# KiCad board Ethernet controller W5500 board_panel.kicad_pcb (continued)
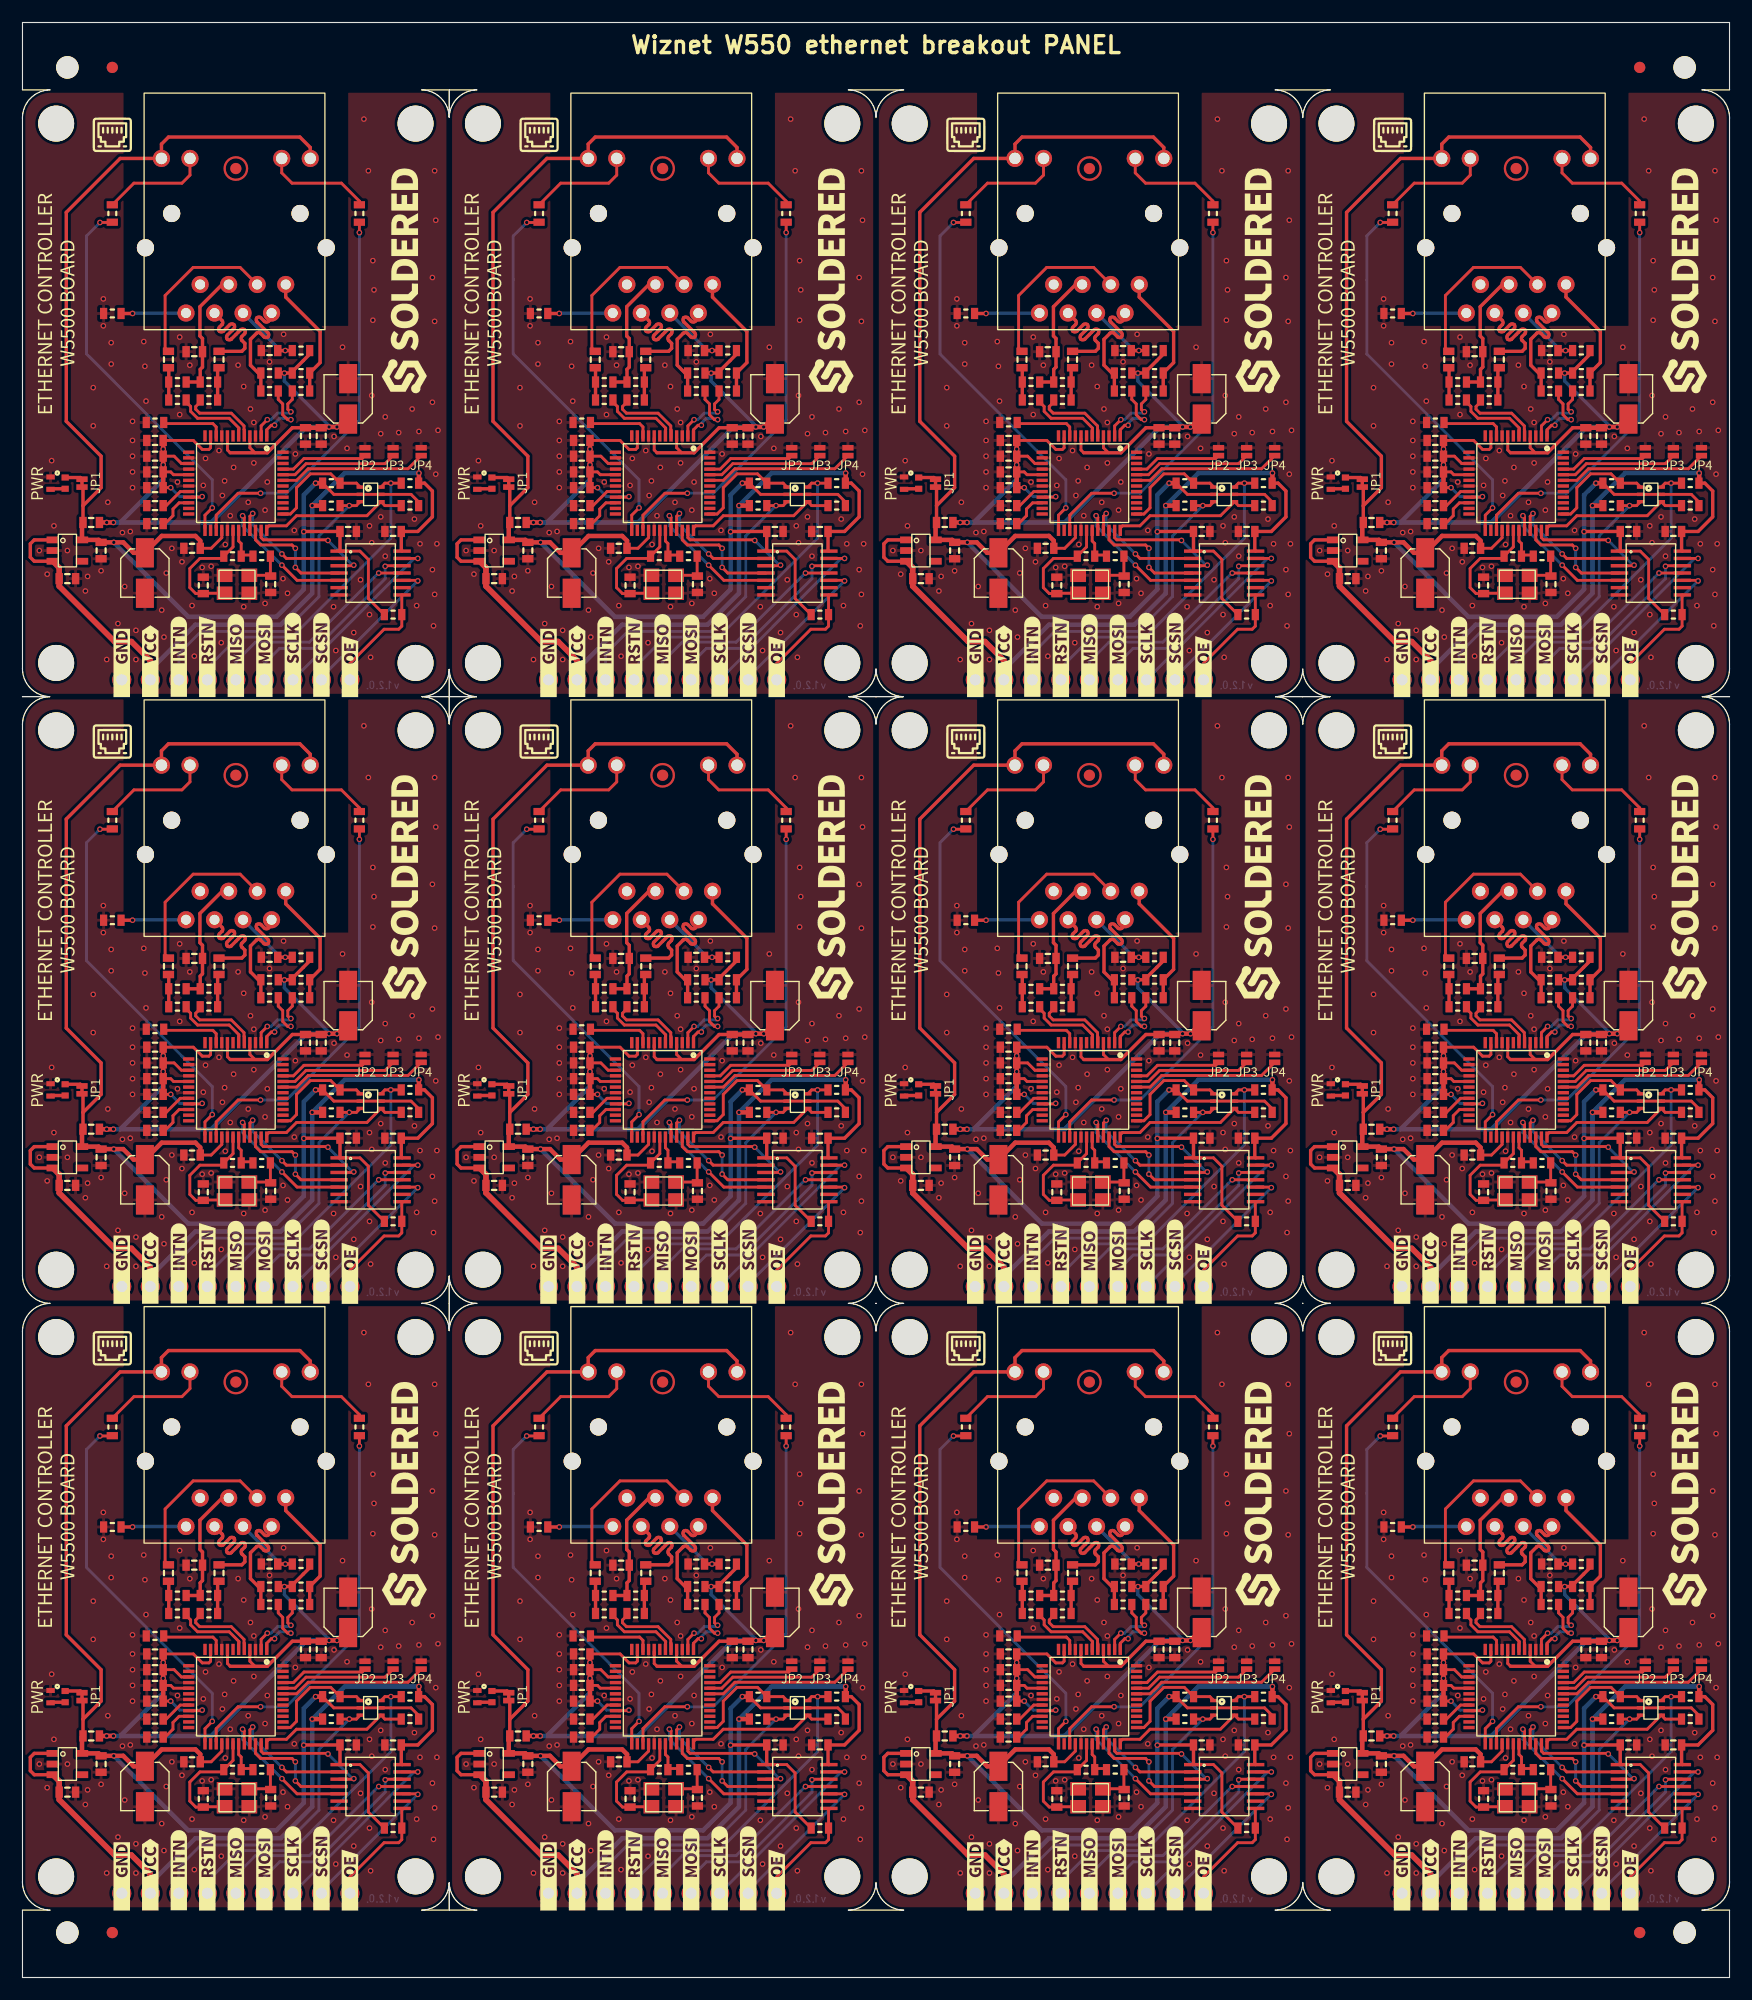
[diagram p0: board, top side]
## Routing (per net, layer and track width the routed paths; a pad name or vN(x,y) marks a point on that pad's centre or on a via; arc(x,y) is an arc through that point) (continued)
Board_6-RSTn_H: length 29
  Top w0.254: R27#4.1 v1(108.8,79) 108.27,79 U5#10.6
  Bottom w0.254: K2#8.4 92.46,62.56 95.2,65.3 100,65.3 108.8,74.1 v1(108.8,79)
Board_6-RSTn_L: length 10.1
  Top w0.254: U5#10.1 105.73,79 R21#6.1 103.45,79.83 101.63,79.83 100.4,78.6 100.4,76.8 99.85,76.25 99,76.25
Board_6-RX+: length 7
  Top w0.254: R4#5.1 90.58,86.22 90.97,85.82 90.97,85.39 91.59,84.77 94.41,84.77 95.27,83.91 95.27,83.77 95.25,83.75 95.25,83
Board_6-RX-: length 7
  Top w0.254: R3#3.1 91.83,86.22 91.43,85.82 91.43,85.58 91.78,85.23 94.6,85.23 95.73,84.09 95.73,83.77 95.75,83.75 95.75,83
Board_6-SCLK_H: length 17
  Top w0.254: v1(111.2,72.3) U3#3.13
  Bottom w0.254: K2#8.7 110.88,72.3 v1(111.2,72.3)
Board_6-SCLK_L: length 11.3
  Top w0.254: v1(99.1,72.7) 99.5,72.3 U3#3.2 ; v1(96.5,76.3) 96.25,76.05 96.25,75
  Bottom w0.254: v1(96.5,76.3) 96.5,75.3 v1(99.1,72.7)
Board_6-SCSn_H: length 13.8
  Top w0.254: v1(111.2,70.3) 111.15,70.35 U3#3.10
  Bottom w0.254: v1(111.2,70.3) 102.62,61.72 K2#8.8
Board_6-SCSn_L: length 12.7
  Top w0.254: U3#3.5 100.45,70.35 v1(99.1,71.7) ; v1(95.6,76.1) 95.75,75.95 95.75,75
  Bottom w0.254: v1(99.1,71.7) 95.6,75.2 v1(95.6,76.1)
Board_6-TX+: length 6.4
  Top w0.254: R2#8.1 100.03,86.45 99.63,86.05 99.63,85.57 99.84,85.35 v1(99.9,85.35) ; v1(97.8,84.65) 97.25,84.1 97.25,83
  Bottom w0.254: v1(97.8,84.65) 98.13,84.65 98.71,85.23 99.78,85.23 v1(99.9,85.35)
Board_6-TX-: length 6.7
  Top w0.254: v1(98.45,84.15) 98.15,84.15 97.75,83.75 97.75,83 ; R1#12.1 98.78,86.45 99.17,86.05 99.17,85.09 99.61,84.65 v1(99.9,84.65)
  Bottom w0.254: v1(98.45,84.15) 98.45,84.33 98.9,84.77 99.78,84.77 v1(99.9,84.65)
Board_6-VCC: length 67.9
  Top w0.3: R27#4.2 111.8,79 112.5,78.3 112.5,76 111.2,74.7 C21#11.1 109.73,73.02 U3#3.14 ; U2#12.3 77.05,72.05 76.7,72.4 76.7,73.6 77.05,73.95 U2#12.1
  Top w0.4: R27#4.2 111.3,79.03 v1(111.3,79.9) ; R22#3.1 v1(101.8,77)
  Top w0.5: K2#8.2 87.38,63.22 85.7,64.9 84.2,64.9 79.27,69.83 C18#3.2 79.27,71.48 U2#12.3
  Bottom w0.4: v1(111.3,79.9) 104.7,79.9 v1(101.8,77) 101.77,76.96 101.8,76.93 101.8,69.2 99,66.4 91.4,66.4 87.38,62.38 K2#8.2
Board_7-3V3: length 129.2
  Top w0.254: C14#3.2 130.8,73.2 131.75,74.15 131.75,75 ; R17#5.1 144.8,68.73 144.8,72.2 144.05,72.95 U3#9.1 ; R21#10.2 141.73,78 U5#8.2 U5#8.5 148.6,78 149.28,77.33 R28#9.1
  Top w0.3: JP1#4.1 119.39,78.56 119.39,76.99 ; U3#9.1 142.27,73.02 C20#3.2 139.07,74.7 v1(139.05,74.68) ; 119.39,76.99 FB1#9.1 ; 119.39,76.99 121,78.6 121,81.4 117.9,84.5 117.9,103.1 122.7,107.9 K1#2.12 126.38,109.18 127,109.8 138.7,109.8 139.63,108.88 K1#2.9
  Top w0.4: FB1#9.1 119.3,75.41 U2#7.5 120.78,73.95 C19#12.2 122.97,73.73 123.9,72.8 C15#9.1 126.4,74.3 129.4,74.3 129.83,73.87 C14#3.2 ; v1(140.1,79) R21#10.2
  Bottom w0.4: v1(122.13,73.73) 128.76,67.1 136.6,67.1 139.05,69.55 v1(139.05,74.68) 139.05,77.95 v1(140.1,79)
Board_7-3V3_A: length 77.8
  Top w0.254: C5#5.2 127.5,81.4 128.15,80.75 129,80.75 ; C6#10.2 127.2,80 127.45,79.75 129,79.75 ; 130.75,83 130.75,82.15 130.6,82 130.01,82 129.21,82.8 C4#2.2 ; 132.25,83 132.25,81.95 132.5,81.7 ; 134.7,81.7 134.25,82.15 134.25,83 ; 129,77.75 129.95,77.75 v1(130,77.8) ; v1(127.2,78.6) C8#2.2
  Top w0.3: C2#7.2 138.03,83.93 135.8,81.7 132.5,81.7 ; R6#7.2 R8#7.2 138.03,88.93 139.58,90.48 R10#12.2
  Top w0.4: C4#2.2 v1(126.53,82.03) v1(126.53,80.63) C8#2.2 ; v1(122.1,75.5) v1(121.5,75.5) FB1#9.2 ; C2#7.2 C3#6.2 140.67,84 v1(141.3,84) v1(142,84) 142.7,84.7
  Bottom w0.254: v1(127.2,78.6) 128,77.8 v1(130,77.8)
  Bottom w0.3: v1(137.32,88.79) 137.32,88.08 141.3,84.1 v1(141.3,84)
  Bottom w0.4: v1(142,84) 139.3,84 130.8,75.5 122.7,75.5 ; v1(121.5,75.5) v1(122.1,75.5) 122.7,75.5 ; 122.7,75.5 126.53,79.33 v1(126.53,80.63) v1(126.53,82.03)
Board_7-/RXN: length 11.6
  Top w0.3: C9#4.1 133.53,90.73 133.8,91 133.8,91.44 133.54,91.7 arc(133.47,91.88) 133.54,92.06 133.78,92.29 arc(133.85,92.47) 133.78,92.65 arc(133.6,92.72) 133.42,92.65 132.59,91.82 arc(132.42,91.74) 132.24,91.82 arc(132.17,91.99) 132.24,92.17 132.83,92.76 arc(132.9,92.93) 132.83,93.1 132.82,93.11 arc(132.65,93.18) 132.47,93.11 131.89,92.52 arc(131.71,92.45) 131.53,92.52 arc(131.46,92.7) 131.53,92.88 131.77,93.12 arc(131.84,93.29) 131.77,93.47 K1#2.6
Board_7-/RXP: length 15
  Top w0.254: K1#2.3 133.38,98.2 129.2,98.2 126.7,95.7 126.7,91.03 C10#2.1
Board_7-/TXN: length 11.4
  Top w0.3: K1#2.2 136.18,93.68 135.9,93.4 arc(135.72,93.33) 135.55,93.4 135.23,93.71 arc(135.06,93.79) 134.88,93.71 arc(134.81,93.54) 134.88,93.36 135.86,92.38 arc(135.94,92.2) 135.86,92.02 arc(135.69,91.95) 135.51,92.02 135.19,92.34 arc(135.02,92.41) 134.84,92.34 134.3,91.8 134.3,89.5 135,88.8 R6#7.1 R1#5.2
Board_7-/TXP: length 11.1
  Top w0.3: R2#5.2 R8#7.1 140.5,89.73 140.5,92.5 137.44,95.56 K1#2.1
Board_7-ACTLED: length 35
  Top w0.254: v1(135.2,78.1) 133.2,78.1 131.25,76.15 131.25,75 ; v1(144,101.3) R12#8.2
  Bottom w0.254: v1(135.2,78.1) 137.5,78.1 144,84.6 v1(144,101.3)
Board_7-CGND: length 5.8
  Top w0.3: v1(123.8,94.1) R16#2.2
  Bottom w0.3: v1(123.8,94.1) 123.84,94.14 K1#2.8
Board_7-GND:
  vias: v1(115.5,73) v1(116.2,70.9) v1(116.6,81) v1(116.8,75.2) v1(118,73) v1(119.6,69.4) v1(119.8,70.7) v1(120.3,87.5) v1(120.3,84.1) v1(121,71.2) v1(121.2,95.4) v1(121.2,93) v1(121.5,63.3) v1(121.6,77.3) v1(121.9,91.5) v1(121.9,89.6) v1(122.5,66.5) v1(122.9,74.6) v1(123.1,69.8) v1(123.6,74.7) v1(123.8,84.5) v1(123.8,82.8) v1(123.8,81.4) v1(123.8,80) v1(123.8,78.6) v1(124.1,65.9) v1(124.1,63.3) v1(124.8,91.6) v1(124.9,89.4) v1(125,86.3) v1(126.4,67.7) v1(126.6,65.3) v1(126.8,71) v1(127.3,73.2) v1(127.8,79.1) v1(128,92) v1(128,85.1) v1(128.2,72) v1(128.9,89.5) v1(129.1,68.1) v1(129.3,63.6) v1(130,71.5) v1(130.1,78.8) v1(130.3,81.2) v1(130.8,71.6) v1(131.5,81.9) v1(131.7,64.8) v1(131.8,77.9) v1(132,79.2) v1(132.06,73.54) v1(132.5,76.1) v1(132.8,80.4) v1(133.2,89.5) v1(133.7,87.6) v1(133.7,68) v1(134.1,77.3) v1(134.3,85.6) v1(134.6,84.4) v1(134.6,80.8) v1(135.6,76.6) v1(135.6,68.3) v1(135.8,79.1) v1(136,89.8) v1(137.2,70.5) v1(137.25,92.25) v1(137.6,69.2) v1(138.2,74.8) v1(138.3,81.6) v1(141.74,83.16) v1(141.7,68) v1(141.9,64.1) v1(142.5,91.1) v1(142.9,82.1) v1(143.5,65.7) v1(144.1,70.4) v1(144.4,111.4) v1(144.8,106.8) v1(144.9,75.2) v1(144.9,67.3) v1(145,63.5) v1(145.1,86.8) v1(145.1,73.7) v1(145.2,98.8) v1(145.2,93.5) v1(145.3,96.2) v1(145.9,83.4) v1(145.9,76) v1(146.3,84.9) v1(146.3,72.5) v1(147.5,83.5) v1(148.7,85.6) v1(148.9,75.8) v1(149.1,68.1) v1(149.3,83.6) v1(149.4,73.6) v1(150.5,97.3) v1(150.5,86.2) v1(150.5,71.3) v1(150.6,66.3) v1(150.7,106.8) v1(150.7,93.4) v1(150.7,69.1) v1(150.8,102.4) v1(150.8,79.8) v1(150.9,73.6) v1(151,83.7)
Board_7-INTn_H: length 28.1
  Top w0.254: U5#8.3 143.73,77 v1(143.1,77) R22#4.2
  Bottom w0.254: v1(143.1,77) 140.4,74.3 140.4,68.9 137.3,65.8 129.9,65.8 127.92,63.82 K2#5.3
Board_7-INTn_L: length 13.1
  Top w0.254: R28#9.2 146.27,77 U5#8.4 144.67,76.1 138.4,76.1 137.5,75.2 135.95,75.2 135.75,75
Board_7-LINKLED: length 33.7
  Top w0.254: v1(120.9,102.2) 121.98,102.2 R11#8.2 ; v1(130.9,76.8) 130.25,76.15 130.25,75
  Bottom w0.254: v1(120.9,102.2) 119.7,101 119.7,90.5 130.9,79.3 v1(130.9,76.8)
Board_7-MISO_H: length 19.7
  Top w0.254: v1(145.72,71) U3#9.11
  Bottom w0.254: v1(145.72,71) 145.7,71 139.55,64.85 134.75,64.85 133,63.1 K2#5.5
Board_7-MISO_L: length 10.7
  Top w0.254: 134.75,75 134.75,73.95 135.2,73.5 138,73.5 v1(138.3,73.2) ; v1(138.3,71.5) 138.8,71 U3#9.4
  Bottom w0.254: v1(138.3,71.5) v1(138.3,73.2)
Board_7-MOSI_H: length 18
  Top w0.254: v1(146.3,71.6) 146.35,71.65 U3#9.12
  Bottom w0.254: K2#5.6 135.54,62.94 136.9,64.3 140.1,64.3 146.3,70.5 v1(146.3,71.6)
Board_7-MOSI_L: length 11.4
  Top w0.254: v1(141.2,73.9) 141.15,73.95 135.45,73.95 135.25,74.15 135.25,75 ; U3#9.3 143.45,71.65 v1(143.5,71.7)
  Bottom w0.254: v1(141.2,73.9) 143.4,71.7 v1(143.5,71.7)
Board_7-Net-(C7-Pad2): length 11.5
  Top w0.3: R7#12.1 R9#10.1 129.83,89.13 130.03,89.33 C7#8.2 130.03,91.87 129.8,92.1 129.8,94.7 131.78,96.68 K1#2.5
Board_7-Net-(C9-Pad2): length 2.9
  Top w0.3: R3#5.2 R9#10.2 131.38,89.15 C9#4.2
Board_7-Net-(C10-Pad2): length 2.9
  Top w0.3: C10#2.2 127.03,89.25 R7#12.2 R4#12.2
Board_7-Net-(C11-Pad2): length 6.4
  Top w0.3: C11.2 v1(137.4,90.8) R10#12.1
  Bottom w0.3: K1#2.4 136.98,90.8 v1(137.4,90.8)
Board_7-Net-(C12-Pad2): length 3
  Top w0.254: 129,78.25 128.05,78.25 126.8,77 C12#8.2
Board_7-Net-(C13-Pad2): length 3.4
  Top w0.254: U1#7.22 127.95,77.25 127.4,76.7 127.4,76.1 126.7,75.4 C13#12.2
Board_7-Net-(C16-Pad2): length 11.4
  Top w0.254: X1#9.1 130.13,69.2 C16#9.2 129.43,69.17 128.9,69.7 128.9,71.4 129.8,72.3 131.73,72.3 132.75,73.33 132.75,75
Board_7-Net-(C17-Pad2): length 3.8
  Top w0.254: 136.08,72.6 136.08,70.76 C17#11.2 136.03,70.8 X1#9.3
Board_7-Net-(D1-Pad1): length 1.3
  Top w0.3: R13#5.2 116.55,78.5 D1#8.1
Board_7-Net-(JP1-Pad2): length 1.6
  Top w0.3: R13#5.1 119.15,79.5 JP1#4.2
Board_7-Net-(K1-Pad10): length 9.6
  Top w0.254: R12#8.1 144,104.1 142.4,105.7 138,105.7 137.09,106.62 K1#2.10
Board_7-Net-(K1-Pad11): length 9.5
  Top w0.254: R11#8.1 123.93,105.7 128.2,105.7 128.92,106.42 K1#2.11
Board_7-Net-(R5-Pad2): length 5.8
  Top w0.254: R5#5.2 126.68,84.3 130.95,84.3 131.25,84 131.25,83
Board_7-Net-(R14-Pad2): length 3.5
  Top w0.254: 134.53,72.6 133.48,72.6 133.48,73.63 133.25,73.85 133.25,75
Board_7-OE: length 10.2
  Top w0.254: U3#9.8 147.78,69.03 R17#5.2 147.78,66.28 147.5,66 146.2,66 143.16,62.96 K2#5.9
Board_7-PMODE0: length 8
  Top w0.254: JP2#2.2 144.24,81.19 139.06,81.19 138.13,80.25 137,80.25
Board_7-PMODE1: length 10.7
  Top w0.254: 137,79.75 138.27,79.75 139.25,80.73 146.28,80.73 JP3#11.2
Board_7-PMODE2: length 13.4
  Top w0.254: JP4#6.2 148.33,80.28 139.44,80.28 138.41,79.25 137,79.25
Board_7-RSTn_H: length 29
  Top w0.254: U5#8.6 146.27,79 v1(146.8,79) R27#2.1
  Bottom w0.254: v1(146.8,79) 146.8,74.1 138,65.3 133.2,65.3 130.46,62.56 K2#5.4
Board_7-RSTn_L: length 10.1
  Top w0.254: 137,76.25 137.85,76.25 138.4,76.8 138.4,78.6 139.63,79.83 141.45,79.83 R21#10.1 143.73,79 U5#8.1
Board_7-RX+: length 7
  Top w0.254: 133.25,83 133.25,83.75 133.27,83.77 133.27,83.91 132.41,84.77 129.59,84.77 128.97,85.39 128.97,85.82 128.58,86.22 R4#12.1
Board_7-RX-: length 7
  Top w0.254: 133.75,83 133.75,83.75 133.73,83.77 133.73,84.09 132.6,85.23 129.78,85.23 129.43,85.58 129.43,85.82 129.83,86.22 R3#5.1
Board_7-SCLK_H: length 17
  Top w0.254: v1(149.2,72.3) U3#9.13
  Bottom w0.254: v1(149.2,72.3) 148.88,72.3 K2#5.7
Board_7-SCLK_L: length 11.3
  Top w0.254: 134.25,75 134.25,76.05 v1(134.5,76.3) ; v1(137.1,72.7) 137.5,72.3 U3#9.2
  Bottom w0.254: v1(134.5,76.3) 134.5,75.3 v1(137.1,72.7)
Board_7-SCSn_H: length 13.8
  Top w0.254: U3#9.10 149.15,70.35 v1(149.2,70.3)
  Bottom w0.254: v1(149.2,70.3) 140.62,61.72 K2#5.8
Board_7-SCSn_L: length 12.7
  Top w0.254: U3#9.5 138.45,70.35 v1(137.1,71.7) ; v1(133.6,76.1) 133.75,75.95 133.75,75
  Bottom w0.254: v1(137.1,71.7) 133.6,75.2 v1(133.6,76.1)
Board_7-TX+: length 6.4
  Top w0.254: R2#5.1 138.03,86.45 137.63,86.05 137.63,85.57 137.84,85.35 v1(137.9,85.35) ; 135.25,83 135.25,84.1 v1(135.8,84.65)
  Bottom w0.254: v1(137.9,85.35) 137.78,85.23 136.71,85.23 136.13,84.65 v1(135.8,84.65)
Board_7-TX-: length 6.7
  Top w0.254: v1(137.9,84.65) 137.61,84.65 137.17,85.09 137.17,86.05 136.78,86.45 R1#5.1 ; v1(136.45,84.15) 136.15,84.15 135.75,83.75 135.75,83
  Bottom w0.254: v1(136.45,84.15) 136.45,84.33 136.9,84.77 137.78,84.77 v1(137.9,84.65)
Board_7-VCC: length 67.9
  Top w0.3: R27#2.2 149.8,79 150.5,78.3 150.5,76 149.2,74.7 C21#8.1 147.73,73.02 U3#9.14 ; U2#7.1 115.05,73.95 114.7,73.6 114.7,72.4 115.05,72.05 U2#7.3
  Top w0.4: v1(149.3,79.9) 149.3,79.03 R27#2.2 ; R22#4.1 v1(139.8,77)
  Top w0.5: U2#7.3 117.27,71.48 C18#12.2 117.27,69.83 122.2,64.9 123.7,64.9 125.38,63.22 K2#5.2
  Bottom w0.4: K2#5.2 125.38,62.38 129.4,66.4 137,66.4 139.8,69.2 139.8,76.93 139.77,76.96 v1(139.8,77) 142.7,79.9 v1(149.3,79.9)
Board_8-3V3: length 129.2
  Top w0.254: C14#2.2 16.8,19.2 17.75,20.15 17.75,21 ; R17#10.1 30.8,14.72 30.8,18.2 30.05,18.95 U3#10.1 ; R28#8.1 35.28,23.32 34.6,24 U5#11.5 U5#11.2 27.73,24 R21#4.2
  Top w0.3: K1#3.9 25.63,54.88 24.7,55.8 13,55.8 12.38,55.18 K1#3.12 8.7,53.9 3.9,49.1 3.9,30.5 7,27.4 7,24.6 5.39,22.99 ; JP1#5.1 5.39,24.56 5.39,22.99 ; 5.39,22.99 FB1#6.1 ; U3#10.1 28.27,19.02 C20#12.2 25.07,20.7 v1(25.05,20.68)
  Top w0.4: FB1#6.1 5.3,21.41 U2#4.5 6.78,19.95 C19#6.2 8.97,19.73 9.9,18.8 C15.1 12.4,20.3 15.4,20.3 15.83,19.87 C14#2.2 ; v1(26.1,25) R21#4.2
  Bottom w0.4: v1(26.1,25) 25.05,23.95 v1(25.05,20.68) 25.05,15.55 22.6,13.1 14.76,13.1 v1(8.13,19.73)
Board_8-3V3_A: length 77.8
  Top w0.254: v1(13.2,24.6) C8#5.2 ; C6#4.2 13.2,26 13.45,25.75 15,25.75 ; 18.25,29 18.25,27.95 18.5,27.7 ; 16.75,29 16.75,28.15 16.6,28 16.01,28 15.21,28.8 C4#3.2 ; C5#9.2 13.5,27.4 14.15,26.75 15,26.75 ; v1(16,23.8) 15.95,23.75 15,23.75 ; 20.25,29 20.25,28.15 20.7,27.7
  Top w0.3: R6#2.2 R8#2.2 24.03,34.93 25.58,36.47 R10#10.2 ; 18.5,27.7 21.8,27.7 24.03,29.93 C2#5.2
  Top w0.4: FB1#6.2 v1(7.5,21.5) v1(8.1,21.5) ; 28.7,30.7 v1(28,30) v1(27.3,30) 26.67,30 C3#8.2 C2#5.2 ; C4#3.2 v1(12.53,28.03) v1(12.53,26.63) C8#5.2
  Bottom w0.254: v1(13.2,24.6) 14,23.8 v1(16,23.8)
  Bottom w0.3: v1(23.32,34.79) 23.32,34.08 27.3,30.1 v1(27.3,30)
  Bottom w0.4: 8.7,21.5 12.53,25.33 v1(12.53,26.63) v1(12.53,28.03) ; 8.7,21.5 16.8,21.5 25.3,30 v1(28,30) ; 8.7,21.5 v1(8.1,21.5) v1(7.5,21.5)
Board_8-/RXN: length 11.6
  Top w0.3: C9#7.1 19.53,36.73 19.8,37 19.8,37.44 19.54,37.7 arc(19.47,37.88) 19.54,38.06 19.78,38.29 arc(19.85,38.47) 19.78,38.65 arc(19.6,38.72) 19.42,38.65 18.59,37.82 arc(18.42,37.74) 18.24,37.82 arc(18.17,37.99) 18.24,38.17 18.83,38.76 arc(18.9,38.93) 18.83,39.1 18.82,39.11 arc(18.65,39.18) 18.47,39.11 17.89,38.52 arc(17.71,38.45) 17.53,38.52 arc(17.46,38.7) 17.53,38.88 17.77,39.12 arc(17.84,39.29) 17.77,39.47 K1#3.6
Board_8-/RXP: length 15
  Top w0.254: K1#3.3 19.38,44.2 15.2,44.2 12.7,41.7 12.7,37.03 C10#7.1
Board_8-/TXN: length 11.4
  Top w0.3: R1#9.2 R6#2.1 21,34.8 20.3,35.5 20.3,37.8 20.84,38.34 arc(21.02,38.41) 21.19,38.34 21.51,38.02 arc(21.69,37.95) 21.86,38.02 arc(21.94,38.2) 21.86,38.38 20.88,39.36 arc(20.81,39.54) 20.88,39.71 arc(21.06,39.79) 21.23,39.71 21.55,39.4 arc(21.72,39.33) 21.9,39.4 22.18,39.68 K1#3.2
Board_8-/TXP: length 11.1
  Top w0.3: K1#3.1 23.44,41.56 26.5,38.5 26.5,35.72 R8#2.1 R2#11.2
Board_8-ACTLED: length 35
  Top w0.254: v1(30,47.3) R12#5.2 ; v1(21.2,24.1) 19.2,24.1 17.25,22.15 17.25,21
  Bottom w0.254: v1(21.2,24.1) 23.5,24.1 30,30.6 v1(30,47.3)
Board_8-CGND: length 5.8
  Top w0.3: v1(9.8,40.1) R16#5.2
  Bottom w0.3: K1#3.8 9.84,40.14 v1(9.8,40.1)
Board_8-GND:
  vias: v1(1.5,19) v1(2.2,16.9) v1(2.6,27) v1(2.8,21.2) v1(4,19) v1(5.6,15.4) v1(5.8,16.7) v1(6.3,33.5) v1(6.3,30.1) v1(7,17.2) v1(7.2,41.4) v1(7.2,39) v1(7.5,9.3) v1(7.6,23.3) v1(7.9,37.5) v1(7.9,35.6) v1(8.5,12.5) v1(8.9,20.6) v1(9.1,15.8) v1(9.6,20.7) v1(9.8,30.5) v1(9.8,28.8) v1(9.8,27.4) v1(9.8,26) v1(9.8,24.6) v1(10.1,11.9) v1(10.1,9.3) v1(10.8,37.6) v1(10.9,35.4) v1(11,32.3) v1(12.4,13.7) v1(12.6,11.3) v1(12.8,17) v1(13.3,19.2) v1(13.8,25.1) v1(14,38) v1(14,31.1) v1(14.2,18) v1(14.9,35.5) v1(15.1,14.1) v1(15.3,9.6) v1(16,17.5) v1(16.1,24.8) v1(16.3,27.2) v1(16.8,17.6) v1(17.5,27.9) v1(17.7,10.8) v1(17.8,23.9) v1(18,25.2) v1(18.06,19.54) v1(18.5,22.1) v1(18.8,26.4) v1(19.2,35.5) v1(19.7,33.6) v1(19.7,14) v1(20.1,23.3) v1(20.3,31.6) v1(20.6,30.4) v1(20.6,26.8) v1(21.6,22.6) v1(21.6,14.3) v1(21.8,25.1) v1(22,35.8) v1(23.25,38.25) v1(23.2,16.5) v1(23.6,15.2) v1(24.2,20.8) v1(24.3,27.6) v1(27.74,29.16) v1(27.7,14) v1(27.9,10.1) v1(28.5,37.1) v1(28.9,28.1) v1(29.5,11.7) v1(30.1,16.4) v1(30.4,57.4) v1(30.8,52.8) v1(30.9,21.2) v1(30.9,13.3) v1(31,9.5) v1(31.1,32.8) v1(31.1,19.7) v1(31.2,44.8) v1(31.2,39.5) v1(31.3,42.2) v1(31.9,29.4) v1(31.9,22) v1(32.3,30.9) v1(32.3,18.5) v1(33.5,29.5) v1(34.7,31.6) v1(34.9,21.8) v1(35.1,14.1) v1(35.3,29.6) v1(35.4,19.6) v1(36.5,43.3) v1(36.5,32.2) v1(36.5,17.3) v1(36.6,12.3) v1(36.7,52.8) v1(36.7,39.4) v1(36.7,15.1) v1(36.8,48.4) v1(36.8,25.8) v1(36.9,19.6) v1(37,29.7)
Board_8-INTn_H: length 28.1
  Top w0.254: U5#11.3 29.73,23 v1(29.1,23) R22#12.2
  Bottom w0.254: K2#12.3 13.92,9.82 15.9,11.8 23.3,11.8 26.4,14.9 26.4,20.3 v1(29.1,23)
Board_8-INTn_L: length 13.1
  Top w0.254: R28#8.2 32.27,23 U5#11.4 30.67,22.1 24.4,22.1 23.5,21.2 21.95,21.2 21.75,21
Board_8-LINKLED: length 33.7
  Top w0.254: v1(6.9,48.2) 7.98,48.2 R11#11.2 ; v1(16.9,22.8) 16.25,22.15 16.25,21
  Bottom w0.254: v1(6.9,48.2) 5.7,47 5.7,36.5 16.9,25.3 v1(16.9,22.8)
Board_8-MISO_H: length 19.7
  Top w0.254: v1(31.72,17) U3#10.11
  Bottom w0.254: v1(31.72,17) 31.7,17 25.55,10.85 20.75,10.85 19,9.1 K2#12.5
Board_8-MISO_L: length 10.7
  Top w0.254: 20.75,21 20.75,19.95 21.2,19.5 24,19.5 v1(24.3,19.2) ; U3#10.4 24.8,17 v1(24.3,17.5)
  Bottom w0.254: v1(24.3,17.5) v1(24.3,19.2)
Board_8-MOSI_H: length 18
  Top w0.254: U3#10.12 32.35,17.65 v1(32.3,17.6)
  Bottom w0.254: K2#12.6 21.54,8.94 22.9,10.3 26.1,10.3 32.3,16.5 v1(32.3,17.6)
Board_8-MOSI_L: length 11.4
  Top w0.254: v1(27.2,19.9) 27.15,19.95 21.45,19.95 21.25,20.15 21.25,21 ; v1(29.5,17.7) 29.45,17.65 U3#10.3
  Bottom w0.254: v1(29.5,17.7) 29.4,17.7 v1(27.2,19.9)
Board_8-Net-(C7-Pad2): length 11.5
  Top w0.3: K1#3.5 17.78,42.68 15.8,40.7 15.8,38.1 16.03,37.87 C7#6.2 16.03,35.33 15.83,35.12 R9#4.1 R7#4.1
Board_8-Net-(C9-Pad2): length 2.9
  Top w0.3: R3#4.2 R9#4.2 17.38,35.15 C9#7.2
Board_8-Net-(C10-Pad2): length 2.9
  Top w0.3: R4#11.2 R7#4.2 13.03,35.25 C10#7.2
Board_8-Net-(C11-Pad2): length 6.4
  Top w0.3: R10#10.1 v1(23.4,36.8) C11#2.2
  Bottom w0.3: K1#3.4 22.98,36.8 v1(23.4,36.8)
Board_8-Net-(C12-Pad2): length 3
  Top w0.254: C12#12.2 12.8,23 14.05,24.25 15,24.25
Board_8-Net-(C13-Pad2): length 3.4
  Top w0.254: C13#6.2 12.7,21.4 13.4,22.1 13.4,22.7 13.95,23.25 U1#6.22
Board_8-Net-(C16-Pad2): length 11.4
  Top w0.254: 18.75,21 18.75,19.32 17.73,18.3 15.8,18.3 14.9,17.4 14.9,15.7 15.43,15.17 C16#8.2 16.13,15.2 X1#5.1
Board_8-Net-(C17-Pad2): length 3.8
  Top w0.254: 22.08,18.6 22.08,16.75 C17#5.2 22.03,16.8 X1#5.3
Board_8-Net-(D1-Pad1): length 1.3
  Top w0.3: D1#12.1 2.55,24.5 R13#10.2
Board_8-Net-(JP1-Pad2): length 1.6
  Top w0.3: R13#10.1 5.15,25.5 JP1#5.2
Board_8-Net-(K1-Pad10): length 9.6
  Top w0.254: K1#3.10 23.09,52.62 24,51.7 28.4,51.7 30,50.1 R12#5.1
Board_8-Net-(K1-Pad11): length 9.5
  Top w0.254: K1#3.11 14.92,52.41 14.2,51.7 9.93,51.7 R11#11.1
Board_8-Net-(R5-Pad2): length 5.8
  Top w0.254: 17.25,29 17.25,30 16.95,30.3 12.68,30.3 R5#7.2
Board_8-Net-(R14-Pad2): length 3.5
  Top w0.254: 20.53,18.6 19.48,18.6 19.48,19.62 19.25,19.85 19.25,21
Board_8-OE: length 10.2
  Top w0.254: K2#12.9 29.16,8.96 32.2,12 33.5,12 33.78,12.28 R17#10.2 33.78,15.03 U3#10.8
Board_8-PMODE0: length 8
  Top w0.254: 23,26.25 24.13,26.25 25.06,27.19 30.24,27.19 JP2#10.2
Board_8-PMODE1: length 10.7
  Top w0.254: 23,25.75 24.27,25.75 25.25,26.73 32.28,26.73 JP3#5.2
Board_8-PMODE2: length 13.4
  Top w0.254: JP4#3.2 34.33,26.28 25.44,26.28 24.41,25.25 23,25.25
Board_8-RSTn_H: length 29
  Top w0.254: U5#11.6 32.27,25 v1(32.8,25) R27#8.1
  Bottom w0.254: K2#12.4 16.46,8.56 19.2,11.3 24,11.3 32.8,20.1 v1(32.8,25)
Board_8-RSTn_L: length 10.1
  Top w0.254: U5#11.1 29.73,25 R21#4.1 27.45,25.83 25.63,25.83 24.4,24.6 24.4,22.8 23.85,22.25 23,22.25
Board_8-RX+: length 7
  Top w0.254: 19.25,29 19.25,29.75 19.27,29.77 19.27,29.91 18.41,30.77 15.59,30.77 14.97,31.39 14.97,31.82 14.58,32.22 R4#11.1
Board_8-RX-: length 7
  Top w0.254: R3#4.1 15.83,32.22 15.43,31.82 15.43,31.58 15.78,31.23 18.6,31.23 19.73,30.09 19.73,29.77 19.75,29.75 19.75,29
Board_8-SCLK_H: length 17
  Top w0.254: v1(35.2,18.3) U3#10.13
  Bottom w0.254: K2#12.7 34.88,18.3 v1(35.2,18.3)
Board_8-SCLK_L: length 11.3
  Top w0.254: U3#10.2 23.5,18.3 v1(23.1,18.7) ; 20.25,21 20.25,22.05 v1(20.5,22.3)
  Bottom w0.254: v1(20.5,22.3) 20.5,21.3 v1(23.1,18.7)
Board_8-SCSn_H: length 13.8
  Top w0.254: v1(35.2,16.3) 35.15,16.35 U3#10.10
  Bottom w0.254: K2#12.8 26.62,7.72 v1(35.2,16.3)
Board_8-SCSn_L: length 12.7
  Top w0.254: v1(19.6,22.1) 19.75,21.95 19.75,21 ; v1(23.1,17.7) 24.45,16.35 U3#10.5
  Bottom w0.254: v1(19.6,22.1) 19.6,21.2 v1(23.1,17.7)
Board_8-TX+: length 6.4
  Top w0.254: v1(23.9,31.35) 23.84,31.35 23.63,31.57 23.63,32.05 24.03,32.45 R2#11.1 ; 21.25,29 21.25,30.1 v1(21.8,30.65)
  Bottom w0.254: v1(21.8,30.65) 22.13,30.65 22.71,31.23 23.78,31.23 v1(23.9,31.35)
Board_8-TX-: length 6.7
  Top w0.254: 21.75,29 21.75,29.75 22.15,30.15 v1(22.45,30.15) ; v1(23.9,30.65) 23.61,30.65 23.17,31.09 23.17,32.05 22.78,32.45 R1#9.1
  Bottom w0.254: v1(23.9,30.65) 23.78,30.77 22.9,30.77 22.45,30.33 v1(22.45,30.15)
Board_8-VCC: length 67.9
  Top w0.3: U2#4.3 1.05,18.05 0.7,18.4 0.7,19.6 1.05,19.95 U2#4.1 ; R27#8.2 35.8,25 36.5,24.3 36.5,22 35.2,20.7 C21#2.1 33.73,19.02 U3#10.14
  Top w0.4: v1(35.3,25.9) 35.3,25.03 R27#8.2 ; R22#12.1 v1(25.8,23)
  Top w0.5: U2#4.3 3.27,17.48 C18#9.2 3.27,15.83 8.2,10.9 9.7,10.9 11.38,9.22 K2#12.2
  Bottom w0.4: K2#12.2 11.38,8.38 15.4,12.4 23,12.4 25.8,15.2 25.8,22.93 25.77,22.96 v1(25.8,23) 28.7,25.9 v1(35.3,25.9)
Board_9-3V3: length 129.2
  Top w0.254: R17#12.1 68.8,14.72 68.8,18.2 68.05,18.95 U3.1 ; R21#11.2 65.73,24 U5.2 U5.5 72.6,24 73.28,23.32 R28#10.1 ; 55.75,21 55.75,20.15 54.8,19.2 C14#9.2
  Top w0.3: 43.39,22.99 FB1.1 ; 43.39,22.99 45,24.6 45,27.4 41.9,30.5 41.9,49.1 46.7,53.9 K1#4.12 50.38,55.18 51,55.8 62.7,55.8 63.63,54.88 K1#4.9 ; 43.39,22.99 43.39,24.56 JP1#10.1 ; v1(63.05,20.68) 63.07,20.7 C20#2.2 66.27,19.02 U3.1
  Top w0.4: FB1.1 43.3,21.41 U2#2.5 44.78,19.95 C19#2.2 46.97,19.73 47.9,18.8 C15#3.1 50.4,20.3 53.4,20.3 53.83,19.87 C14#9.2 ; v1(64.1,25) R21#11.2
  Bottom w0.4: v1(46.13,19.73) 52.76,13.1 60.6,13.1 63.05,15.55 v1(63.05,20.68) 63.05,23.95 v1(64.1,25)
Board_9-3V3_A: length 77.8
  Top w0.254: 53,26.75 52.15,26.75 51.5,27.4 C5#10.2 ; C4#7.2 53.21,28.8 54.01,28 54.6,28 54.75,28.15 54.75,29 ; v1(51.2,24.6) C8#12.2 ; 58.25,29 58.25,28.15 58.7,27.7 ; 56.5,27.7 56.25,27.95 56.25,29 ; 53,25.75 51.45,25.75 51.2,26 C6#3.2 ; v1(54,23.8) 53.95,23.75 53,23.75
  Top w0.3: R10#11.2 63.58,36.47 62.03,34.93 R8#8.2 R6#12.2 ; 56.5,27.7 59.8,27.7 62.03,29.93 C2#12.2
  Top w0.4: 66.7,30.7 v1(66,30) v1(65.3,30) 64.67,30 C3#3.2 C2#12.2 ; C8#12.2 v1(50.53,26.63) v1(50.53,28.03) C4#7.2 ; v1(46.1,21.5) v1(45.5,21.5) FB1.2
  Bottom w0.254: v1(51.2,24.6) 52,23.8 v1(54,23.8)
  Bottom w0.3: v1(61.32,34.79) 61.32,34.08 65.3,30.1 v1(65.3,30)
  Bottom w0.4: v1(50.53,28.03) v1(50.53,26.63) 50.53,25.33 46.7,21.5 ; 46.7,21.5 54.8,21.5 63.3,30 v1(66,30) ; 46.7,21.5 v1(46.1,21.5) v1(45.5,21.5)
Board_9-/RXN: length 11.6
  Top w0.3: C9#8.1 57.53,36.73 57.8,37 57.8,37.44 57.54,37.7 arc(57.47,37.88) 57.54,38.06 57.78,38.29 arc(57.85,38.47) 57.78,38.65 arc(57.6,38.72) 57.42,38.65 56.59,37.82 arc(56.42,37.74) 56.24,37.82 arc(56.17,37.99) 56.24,38.17 56.83,38.76 arc(56.9,38.93) 56.83,39.1 56.82,39.11 arc(56.65,39.18) 56.47,39.11 55.89,38.52 arc(55.71,38.45) 55.53,38.52 arc(55.46,38.7) 55.53,38.88 55.77,39.12 arc(55.84,39.29) 55.77,39.47 K1#4.6
Board_9-/RXP: length 15
  Top w0.254: K1#4.3 57.38,44.2 53.2,44.2 50.7,41.7 50.7,37.03 C10#5.1
Board_9-/TXN: length 11.4
  Top w0.3: R1#11.2 R6#12.1 59,34.8 58.3,35.5 58.3,37.8 58.84,38.34 arc(59.02,38.41) 59.19,38.34 59.51,38.02 arc(59.69,37.95) 59.86,38.02 arc(59.94,38.2) 59.86,38.38 58.88,39.36 arc(58.81,39.54) 58.88,39.71 arc(59.06,39.79) 59.23,39.71 59.55,39.4 arc(59.72,39.33) 59.9,39.4 60.18,39.68 K1#4.2
Board_9-/TXP: length 11.1
  Top w0.3: K1#4.1 61.44,41.56 64.5,38.5 64.5,35.72 R8#8.1 R2#2.2
Board_9-ACTLED: length 35
  Top w0.254: 55.25,21 55.25,22.15 57.2,24.1 v1(59.2,24.1) ; v1(68,47.3) R12#2.2
  Bottom w0.254: v1(68,47.3) 68,30.6 61.5,24.1 v1(59.2,24.1)
Board_9-CGND: length 5.8
  Top w0.3: v1(47.8,40.1) R16#11.2
  Bottom w0.3: K1#4.8 47.84,40.14 v1(47.8,40.1)
Board_9-GND:
  vias: v1(39.5,19) v1(40.2,16.9) v1(40.6,27) v1(40.8,21.2) v1(42,19) v1(43.6,15.4) v1(43.8,16.7) v1(44.3,33.5) v1(44.3,30.1) v1(45,17.2) v1(45.2,41.4) v1(45.2,39) v1(45.5,9.3) v1(45.6,23.3) v1(45.9,37.5) v1(45.9,35.6) v1(46.5,12.5) v1(46.9,20.6) v1(47.1,15.8) v1(47.6,20.7) v1(47.8,30.5) v1(47.8,28.8) v1(47.8,27.4) v1(47.8,26) v1(47.8,24.6) v1(48.1,11.9) v1(48.1,9.3) v1(48.8,37.6) v1(48.9,35.4) v1(49,32.3) v1(50.4,13.7) v1(50.6,11.3) v1(50.8,17) v1(51.3,19.2) v1(51.8,25.1) v1(52,38) v1(52,31.1) v1(52.2,18) v1(52.9,35.5) v1(53.1,14.1) v1(53.3,9.6) v1(54,17.5) v1(54.1,24.8) v1(54.3,27.2) v1(54.8,17.6) v1(55.5,27.9) v1(55.7,10.8) v1(55.8,23.9) v1(56,25.2) v1(56.06,19.54) v1(56.5,22.1) v1(56.8,26.4) v1(57.2,35.5) v1(57.7,33.6) v1(57.7,14) v1(58.1,23.3) v1(58.3,31.6) v1(58.6,30.4) v1(58.6,26.8) v1(59.6,22.6) v1(59.6,14.3) v1(59.8,25.1) v1(60,35.8) v1(61.2,16.5) v1(61.25,38.25) v1(61.6,15.2) v1(62.2,20.8) v1(62.3,27.6) v1(65.74,29.16) v1(65.7,14) v1(65.9,10.1) v1(66.5,37.1) v1(66.9,28.1) v1(67.5,11.7) v1(68.1,16.4) v1(68.4,57.4) v1(68.8,52.8) v1(68.9,21.2) v1(68.9,13.3) v1(69,9.5) v1(69.1,32.8) v1(69.1,19.7) v1(69.2,44.8) v1(69.2,39.5) v1(69.3,42.2) v1(69.9,29.4) v1(69.9,22) v1(70.3,30.9) v1(70.3,18.5) v1(71.5,29.5) v1(72.7,31.6) v1(72.9,21.8) v1(73.1,14.1) v1(73.3,29.6) v1(73.4,19.6) v1(74.5,43.3) v1(74.5,32.2) v1(74.5,17.3) v1(74.6,12.3) v1(74.7,52.8) v1(74.7,39.4) v1(74.7,15.1) v1(74.8,48.4) v1(74.8,25.8) v1(74.9,19.6) v1(75,29.7)